# Altium PCB Audio_Research.PcbDoc (part 3 of 4) (continued)
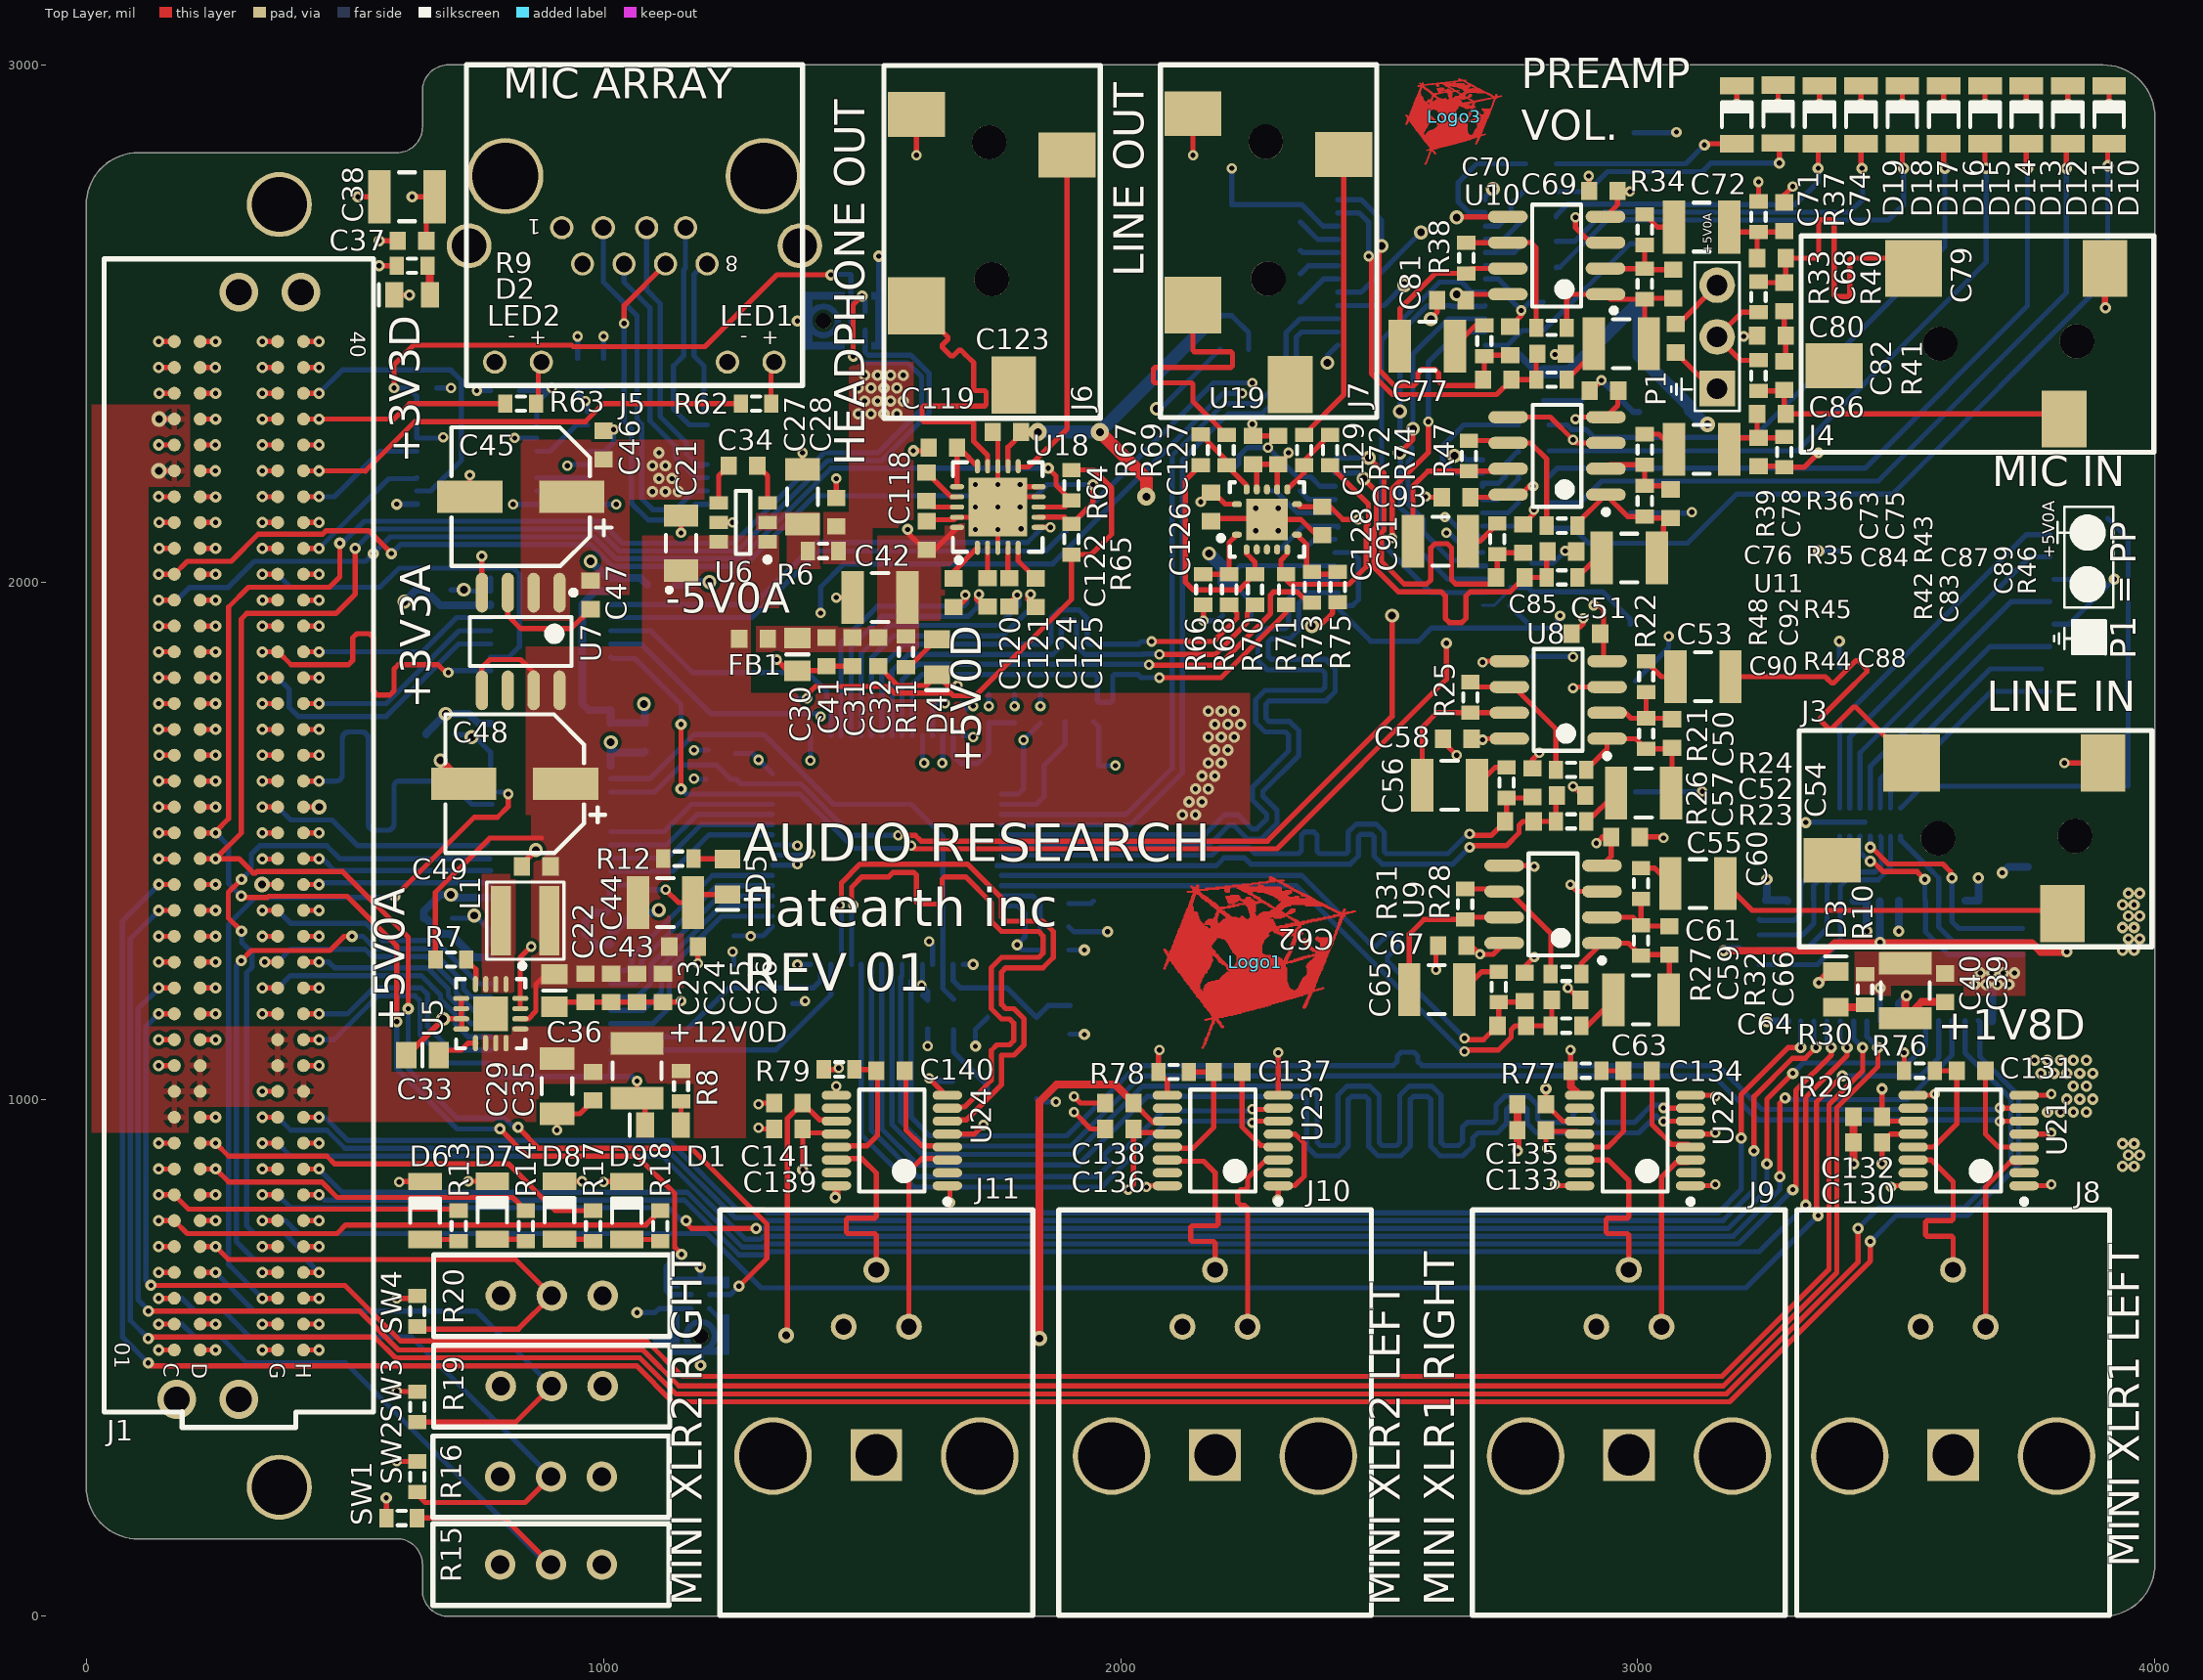
[diagram p0: Top Layer view]
## Nets (pads, with @x,y where several pads share a name; then routed paths per layer and width w, separated by ;. In a path a pad name is that pad's centre, name@x,y a point inside that pad or via, vN(x,y) a via of type N, cw(c..) or ccw(c..) an arc to the next point about the centre after c; other vN are vias at no path point) (continued)
ALRCLK: U1.29 U4.7 | length 334.9
  Bottom Layer w10: U4.7@1013.89,1517.2 1117.2,1517.2 1170.3,1570.3 U1.29@1326.81,1570.3
ALRCLK_FPGA: J1.G22 J2.G22 U4.17 | length 498.1
  Top Layer w10: v1(340,1565) J1.G22@370,1565
  Bottom Layer w10: v1(340,1565) J2.G22@370,1565 395,1540 475,1540 525,1490 770,1490 U4.17@775,1495
C\S\_\A\U\D\I\O\_\C\O\D\E\C\: R3.2 U1.35 U2.5 | length 555.3
  Bottom Layer w10: U2.5@1013.89,1905.72 1091.69,1905.72 1172.41,1825 1395,1825 1431.81,1788.19 1431.81,1773.28 1440,1765.09 1440,1703.17 U1.35@1439.79,1702.96
C\S\_\A\U\D\I\O\_\C\O\D\E\C\_\F\P\G\A\: J1.G27 J2.G27 U2.19 | length 581.2
  Top Layer w10: v1(340,1815) J1.G27@370,1815
  Bottom Layer w10: v1(340,1815) J2.G27@370,1815 392.5,1792.5 392.5,1757.5 410,1740 580,1740 720.13,1880.13 U2.19@781.6,1880.13
C\S\_\P\R\E\_\A\M\P\: U2.4 U13.9 U14.9 | length 2470.7
  Signal Layer 2 w10: v2(2255,2385) 2485.2,2385 v3@2530.93,2339.27
  Bottom Layer w10: U2.4@1013.89,1931.31 1287.01,1931.31 1415.7,2060 1855,2060 2180,2385 v2(2255,2385) ; U14.9@2705.43,2534.68 2703.59,2532.84 2640.27,2532.84 2638.42,2534.68 2592.99,2534.68 2540.2,2481.89 v3(2540.2,2330) 2540.2,2283.04 2563.5,2259.73 2563.5,2240.27 2556.01,2232.78 2556.01,2150.55 2586,2120.56 2586,2095.72 2639.67,2042.05 2664.3,2042.05 2675.48,2030.87 U13.9@2705.91,2030.87
C\S\_\P\R\E\_\A\M\P\_\F\P\G\A\: J1.H26 J2.H26 U2.20 | length 449.9
  Top Layer w10: J1.H26@420,1765 v1(450,1765)
  Bottom Layer w10: J2.H26@420,1765 v1(450,1765) 580,1765 720.72,1905.72 U2.20@781.6,1905.72
CLK: R83.1 U20.5 U26.11 | length 487.6
  Top Layer w10: v1(3450,1460) 3454.69,1460 3474.69,1440 3540.35,1440 v1(3555.35,1425)
  Bottom Layer w10: U20.5@3430,1508 3429,1507 3429,1478.3 3447.3,1460 v1(3450,1460) ; v1(3555.35,1425) 3555.35,1385.2 U26.11@3556.61,1383.94 3556.61,1323.39 3600.55,1279.45 R83.1@3745.32,1279.45
CMD: R82.1 U20.4 U26.13 | length 435.9
  Top Layer w10: v1(3450,1487) 3452.7,1487 3484.7,1455 3590,1455 3605,1440 3605,1430 3607.2,1427.8 v1(3607.8,1427.8)
  Bottom Layer w10: U20.4@3449.69,1508 3449.69,1487.31 v1(3450,1487) ; v1(3607.8,1427.8) U26.13@3607.8,1383.94 3607.8,1343.59 3621.39,1330 R82.1@3744.54,1330
CMD_DIR1: J1.C19 J2.C19 U26.2 | length 5205
  Top Layer w10: v1(119.68,490) 125.15,484.53 1063.64,484.53 1133.17,415 3177.86,415 3450,687.14 v1(3450,725) ; v1(140.16,1415) J1.C19@170,1415
  Bottom Layer w10: v1(119.68,490) 70,539.68 70,1344.84 v1(140.16,1415) J2.C19@170,1415 ; v1(3450,725) 3500,775 3638.23,775 3736.85,873.62 3736.85,1007.01 3661.61,1082.25 3661.61,1149.02 U26.2@3658.98,1151.65
CMD_DIR2: J1.C18 J2.C18 U26.3 | length 5106.6
  Top Layer w10: v1(119.68,537.5) 122.18,540 557.57,540 597.57,500 1070.05,500 1140.05,430 3171.65,430 3426.07,684.43 v1(3426.07,750) ; v1(140,1365) J1.C18@170,1365
  Bottom Layer w10: v1(119.68,537.5) 85,572.18 85,1310 v1(140,1365) J2.C18@170,1365 ; v1(3426.07,750) 3466.07,790 3632.01,790 3721.85,879.84 3721.85,1000.8 3633.39,1089.26 U26.3@3633.39,1151.65
COUT: J1.H23 J2.H23 U4.20 | length 762.3
  Top Layer w10: J1.H23@420,1615 v1(450,1615)
  Bottom Layer w10: J2.H23@420,1615 v1(450,1615) 470,1615 482.5,1615 ccw(c482.5,1627.5) 495,1627.5 495,1697.45 cw(c507.5,1697.45) 507.5,1709.95 532.5,1709.95 cw(c532.5,1697.45) 545,1697.45 545,1615 545,1532.55 ccw(c557.5,1532.55) 557.5,1520.05 582.5,1520.05 ccw(c582.5,1532.55) 595,1532.55 595,1605 cw(c605,1605) 605,1615 700.25,1615 745.25,1570 U4.20@785,1570
DATA_DIR1: J1.C15 J2.C15 U25.2 | length 4653.9
  Top Layer w10: v1(120,590) 528.79,590 603.79,515 782.85,515 782.91,515.07 1076.29,515.07 1145.89,445.47 3165.9,445.47 3385,664.56 3385,983.4 3464.43,1062.84 v1(3464.43,1099.66) ; v1(140,1215) J1.C15@170,1215
  Bottom Layer w10: v1(120,590) 120,592.56 100,612.56 100,1175 v1(140,1215) J2.C15@170,1215 ; 3443.1,1121 3443.7,1121 3464.43,1100.27 v1(3464.43,1099.66) ; 3443.06,1121.03 U25.2@3443.06,1150.86
DATA_DIR2: J1.C14 J2.C14 U25.3 | length 4517.6
  Top Layer w10: v1(125,640) 500,640 607.56,532.44 1083.49,532.44 1151.93,464 3163.22,464 3370,670.78 3370,989.62 3435,1054.62 v1(3435,1100) ; v1(140,1165.16) 169.84,1165.16 J1.C14@170,1165
  Bottom Layer w10: v1(125,640) 115,650 115,1140.16 v1(140,1165.16) 140.16,1165 J2.C14@170,1165 ; U25.3@3417.47,1150.86 3417.47,1117.53 v1(3435,1100)
DBCLK: U1.21 U3.5 | length 410.9
  Bottom Layer w10: U3.5@1013.89,1223.07 1062.29,1223.07 1073.83,1234.61 1073.83,1267.63 1219.02,1412.82 U1.21@1326.81,1412.82
DBCLK_FPGA: J1.H4 J2.H4 U3.19 | length 1349.2
  Top Layer w10: v1(299.52,1267.8) 319.22,1287.5 470.85,1287.5 498.35,1315 v1(513.62,1315) ; J1.H4@420,665 v1(449.76,665)
  Bottom Layer w10: v1(299.52,1267.8) 290,1258.28 290,725 325,690 424.76,690 v1(449.76,665) J2.H4@420,665 ; v1(513.62,1315) 535,1315 559.49,1290.51 665.09,1290.51 730,1225.6 730,1211.87 744.39,1197.48 U3.19@781.6,1197.48
DIGITAL_MIC_CLK: J1.D20 J2.D20 U12.1 U17.1 | length 4102.5
  Top Layer w10: J1.D20@220,1465 v1(250,1465) ; v1(520,2065) 520,1976.85 482.25,1939.11 310,1939.11 299.52,1928.62 299.52,1514.52 v1(250,1465) ; v1(622.44,1175) 622.44,1313.37 495.81,1440 329.53,1440 327.03,1437.5 322.5,1437.5 295,1465 v1(250,1465) ; v1(835,945.69) 835,945 875,905 1169.7,905 1316,758.7 1316,692.09 v1(1262.21,638.31)
  Bottom Layer w10: J2.D20@220,1465 v1(250,1465) ; v1(520,2065) 557.44,2102.44 988.22,2102.44 1030.66,2060 1258.62,2060 1433.62,2235 1537.44,2235 1630,2327.56 1630,2403.3 1594.52,2438.78 1512.14,2438.78 1506.06,2444.87 U12.1@1506.06,2487.28 ; v1(622.44,1175) 622.44,1058.14 717.08,963.5 808.7,963.5 826.51,945.69 v1(835,945.69) ; U17.1@1205.43,622.56 1246.47,622.56 v1(1262.21,638.31)
DIGITAL_MIC_DATA: J1.D21 J2.D21 U12.5 U17.5 | length 4068
  Top Layer w10: J1.D21@220,1515 v1(250,1515) 250,1517.5 275,1542.5 275,1951.66 313.34,1990 470,1990 490,2010 v1(490,2075) ; v1(299.52,1392.74) 302.26,1390 350.24,1390 352.74,1392.5 504.13,1392.5 600,1296.63 v1(600,1150) ; v1(800,942.5) 852.5,890 1065,890 1137.72,817.28 1137.72,713.28 v1(1151,700) ; v1(1483,2436.81) 1483,2536.23 v1(1500,2553.23)
  Bottom Layer w10: J2.D21@220,1515 v1(250,1515) 275,1490 275,1417.26 v1(299.52,1392.74) ; v1(490,2075) 495,2075 537.44,2117.44 994.43,2117.44 1036.87,2075 1252.41,2075 1427.41,2250 1531.23,2250 1615,2333.77 1615,2397.08 1588.3,2423.78 1505.93,2423.78 1492.9,2436.81 v1(1483,2436.81) ; v1(600,1150) 600,1059.37 716.87,942.5 v1(800,942.5) ; v1(1151,700) 1145,700 1120.94,675.94 1120.94,630 1128.39,622.56 U17.5@1170,622.56 ; v1(1500,2553.23) 1500,2550 1506.06,2543.94 U12.5@1506.06,2522.72
DLRCLK: U1.22 U3.4 | length 398.3
  Bottom Layer w10: U3.4@1013.89,1248.66 1042.94,1248.66 1055,1260.72 1055,1276.43 1084.54,1305.97 1211.07,1432.5 U1.22@1326.81,1432.5
DLRCLK_FPGA: J1.G18 J2.G18 U3.20 | length 530.4
  Top Layer w10: v1(340,1365) J1.G18@370,1365
  Bottom Layer w10: v1(340,1365) J2.G18@370,1365 394.84,1340.16 539.84,1340.16 572.99,1307.01 674.66,1307.01 758.6,1223.07 U3.20@781.6,1223.07
H\E\A\D\P\H\O\N\E\_\S\D\: U2.3 U18.6 | length 938.1
  Top Layer w10: U18.6@1840,2105.63 U18.6@1841.38,2105.63 v2(1864.37,2105.63)
  Bottom Layer w10: U2.3@1013.89,1956.9 1014.29,1956.5 1290.99,1956.5 1410.9,2076.42 1819.87,2076.42 1848.45,2105 1865,2105 v2(1864.37,2105.63)
HEADPHONE_JACK_OUT_L: J6.2 U18.14 | length 642.5
  Top Layer w10: J6.2@1605.28,2534.29 1639.78,2499.78 1666.06,2473.51 1666.06,2469.27 1655.03,2458.23 1655.03,2453.99 1672,2437.02 1676.24,2437.02 1687.27,2448.05 1691.51,2448.05 1700,2439.57 1716.03,2423.54 1716.03,2385 1716.03,2373 1719.03,2370 1736.96,2370 1739.96,2367 1739.96,2343 1736.96,2340 1716.03,2340 1619.03,2340 1616.03,2337 1616.03,2313 1619.03,2310 1713.03,2310 1716.03,2307 1716.03,2285 1716.03,2271.8 1742.95,2244.88 U18.14@1742.95,2222.36
HEADPHONE_JACK_OUT_R: J6.3 U18.11 | length 654.4
  Top Layer w10: U18.11@1802.01,2222.36 1822.36,2222.36 1896.61,2296.61 J6.3@1896.61,2825.63
HP_OUT.HP_OUT_L_N: C120.1 U1.36 | length 501.7
  Top Layer w10: C120.1@1686.03,1951.8 1701.03,1966.8 1701.03,1973.97 v2(1700,1975)
  Bottom Layer w10: U1.36@1459.16,1702.96 1459.16,1882.76 1529.81,1953.41 1696.41,1953.41 1703,1960 1703,1972 v2(1700,1975)
HP_OUT.HP_OUT_L_P: C121.1 U1.37 | length 508.6
  Top Layer w10: v2(1726,1976.17) 1721.03,1976.17 1721.03,1966.8 C121.1@1736.03,1951.8
  Bottom Layer w10: U1.37@1479.16,1702.96 1479.16,1874.48 1538.1,1933.41 1704.7,1933.41 1723,1951.72 1723,1973.17 v2(1726,1976.17)
HP_OUT.HP_OUT_R_N: C125.1 U1.39 | length 559.9
  Top Layer w10: v2(1826,1976.17) 1821.03,1976.17 1821.03,1966.8 C125.1@1836.03,1951.8
  Bottom Layer w10: U1.39@1518.53,1702.96 1518.53,1853.53 1561,1896 1772.28,1896 1823,1946.72 1823,1973.17 v2(1826,1976.17)
HP_OUT.HP_OUT_R_P: C124.1 U1.38 | length 553.5
  Top Layer w10: C124.1@1785,1952.28 1785,1960 v2(1800,1975) v2@1801.03,1973.97
  Bottom Layer w10: U1.38@1498.53,1702.96 1498.53,1861.82 1552.72,1916 1764,1916 1803,1955 1803,1972 v2(1800,1975)
HP_OUT_DSDATA: U1.20 U3.6 | length 415.2
  Bottom Layer w10: U3.6@1013.89,1197.48 1065,1197.48 1091.26,1223.74 1091.26,1259.98 1224.41,1393.13 U1.20@1326.81,1393.13
HP_OUT_DSDATA_FPGA: J1.G16 J2.G16 U3.18 | length 528.9
  Top Layer w10: v1(345,1265) J1.G16@370,1265
  Bottom Layer w10: v1(345,1265) J2.G16@370,1265 395,1290 538.79,1290 553.27,1275.51 658.87,1275.51 715,1219.39 715,1205.66 748.77,1171.89 U3.18@781.6,1171.89
HP_SD_FPGA: J1.H28 J2.H28 U2.21 | length 418.8
  Top Layer w10: J1.H28@420,1865 v1(449.76,1865)
  Bottom Layer w10: J2.H28@420,1865 v1(449.76,1865) 650,1865 716.31,1931.31 U2.21@781.6,1931.31
I2C_HP.SCL: J1.C30 J2.C30 R64.1 U18.8 | length 2040.6
  Top Layer w10: v1(140,1965) J1.C30@170,1965 ; U18.8@1841.38,2145 1892.32,2145 R64.1@1905,2157.68 1875,2187.68 1875,2205 v1(1860,2220)
  Bottom Layer w10: v1(140,1965) J2.C30@170,1965 175.31,1965 200,1989.69 274.69,1989.69 325,2040 540,2040 v1(555,2055) 587.44,2087.44 982.01,2087.44 1024.45,2045 1264.83,2045 1439.83,2220 v1(1860,2220)
I2C_HP.SDA: J1.C31 J2.C31 R65.1 U18.7 | length 2143.1
  Top Layer w10: v1(140,2015) J1.C31@170,2015 195,2040 280,2040 332.5,2092.5 456.96,2092.5 463.75,2099.29 545.71,2099.29 v1(590,2055) ; U18.7@1841.38,2125.31 1841.69,2125.63 1891.59,2125.63 R65.1@1905,2112.21 1905.17,2112.21 1946.72,2153.77 v1(1946.72,2188.31)
  Bottom Layer w10: v1(140,2015) J2.C31@170,2015 ; v1(590,2055) 607.44,2072.44 975.79,2072.44 1018.23,2030 1271.05,2030 1407.94,2166.89 1836.62,2166.89 1858.03,2188.31 v1(1946.72,2188.31)
LED1: J1.C7 J2.C7 R13.2 | length 622.6
  Top Layer w10: v1(140,815) J1.C7@170,815 197.5,787.5 717.03,787.5 R13.2@720,784.53
  Bottom Layer w10: v1(140,815) J2.C7@170,815
LED2: J1.D8 J2.D8 R14.2 | length 693.3
  Top Layer w10: J1.D8@220,865 v1(250,865) 275,840 455,840 485,810 824.53,810 R14.2@850,784.53
  Bottom Layer w10: J2.D8@220,865 v1(250,865)
LED3: J1.D9 J2.D9 R17.2 | length 844
  Top Layer w10: J1.D9@220,915 v1(250,915) 275,890 465,890 480,875 816.03,875 906.5,784.53 R17.2@980,784.53
  Bottom Layer w10: J2.D9@220,915 v1(250,915)
LED4: J1.C6 J2.C6 R18.2 | length 1028.8
  Top Layer w10: v1(140,765) J1.C6@170,765 195,740 485,740 501.79,756.79 1082.26,756.79 R18.2@1110,784.53
  Bottom Layer w10: v1(140,765) J2.C6@170,765
LIN-: R67.1 R70.2 U19.2 | length 446.6
  Top Layer w10: R67.1@2155,2225.95 2125,2195.95 2125,2000 2140,1985 2230,1985 R70.2@2260,2015 2260,2038.42 2243.7,2054.71 U19.2@2243.7,2062.87
LINE_DSDATA: U1.26 U4.10 | length 342.3
  Bottom Layer w10: U4.10@1013.89,1440.43 1133.68,1440.43 1204.49,1511.24 U1.26@1326.81,1511.24
LINE_IN.LINE_IN_L_N: C52.1 C55.2 R23.2 U1.58 | length 1275.5
  Top Layer w10: v2(2675,1487) 2678,1490 2745.83,1490 2770.57,1514.74 2770.57,1529.39 2778.19,1537.01 C55.2@2798.94,1537.01 R23.2@2841.85,1537.01 2841.85,1585.04 C52.1@2843.82,1587.01
  Bottom Layer w10: U1.58@1761.47,1451.43 2185.11,1451.43 2200,1466.32 ; 2200.14,1466.46 2239.86,1466.46 ; 2240,1466.32 2251.72,1454.6 2444.14,1454.6 2460,1470.46 2460,1507.62 2464.14,1511.76 2485.86,1511.76 2490,1507.62 2490,1470.46 2505.86,1454.6 2642.6,1454.6 v2(2675,1487)
LINE_IN.LINE_IN_L_P: C55.1 C57.2 R26.2 U1.57 | length 1273
  Top Layer w10: v2(2675,1513) 2678,1510 2716.81,1510 C55.1@2743.82,1537.01 2746.38,1539.57 R26.2@2746.38,1582.48 2794.41,1582.48 C57.2@2796.38,1584.45
  Bottom Layer w10: U1.57@1769.75,1471.43 U1.57@1769.31,1471.87 2177.27,1471.87 2191.86,1486.46 2248.14,1486.46 2260,1474.6 2335,1474.6 2344,1474.6 2350,1480.6 2350,1510.52 2356,1516.52 2374,1516.52 2380,1510.52 2380,1479.6 2385,1474.6 2435.86,1474.6 2440,1478.74 2440,1515.9 2455.86,1531.76 2494.14,1531.76 2510,1515.9 2510,1478.74 2514.14,1474.6 2632.9,1474.6 2671.3,1513 v2(2675,1513)
LINE_IN.LINE_IN_R_N: C62.1 C64.2 R29.2 U1.60 | length 1275.5
  Top Layer w10: v2(2665,1092) 2668,1095 2730.83,1095 2755.57,1119.74 2755.57,1134.39 2763.19,1142.01 C64.2@2783.94,1142.01 R29.2@2831.85,1142.01 2833.82,1143.98 C62.1@2833.82,1192.01
  Bottom Layer w10: U1.60@1769.31,1412.82 2340.49,1412.82 2661.3,1092 v2(2665,1092)
LINE_IN.LINE_IN_R_P: C64.1 C66.2 R32.2 U1.59 | length 1275.5
  Top Layer w10: v2(2665,1118) 2668,1115 2701.81,1115 C64.1@2728.82,1142.01 2731.38,1144.57 R32.2@2731.38,1187.48 2779.41,1187.48 C66.2@2781.38,1189.45
  Bottom Layer w10: U1.59@1769.31,1432.82 2350.18,1432.82 2480,1303 2486.36,1296.64 2494.85,1296.64 2518.15,1319.94 2526.64,1319.94 2539.36,1307.21 2539.36,1298.73 2516.06,1275.42 2516.06,1266.94 2524,1259 v2(2665,1118)
LINE_IN_DSDATA_FPGA: J1.H19 J2.H19 U4.14 | length 394.6
  Top Layer w10: J1.H19@420,1415 v1(450,1415)
  Bottom Layer w10: J2.H19@420,1415 v1(450,1415) 453.62,1418.62 777.98,1418.62 U4.14@781.6,1415
LINE_INPUT_L: C53.1 J3.2 | length 675.8
  Top Layer w10: C53.1@3179.53,1817.01 3362.91,1817.01 3367.46,1812.46 3374.85,1805.08 3379.09,1805.08 3422,1847.99 3426.24,1847.99 3443.21,1831.02 3443.21,1826.77 3398.18,1781.74 3353.15,1736.71 3353.15,1732.47 3370.12,1715.5 3374.36,1715.5 3417.27,1758.41 3421.51,1758.41 3430,1749.92 J3.2@3529.92,1650
LINE_INPUT_R: C61.1 J3.3 | length 675.8
  Top Layer w10: C61.1@3169.53,1416.69 3221.22,1365 3814.92,1365 J3.3@3821.26,1358.66
LINE_OUT.LINE_OUT_L_N: R70.1 U1.41 | length 1000.7
  Top Layer w10: v2(2075,1860) 2183.28,1860 2245,1921.72 2245,1940.95 R70.1@2260,1955.95
  Bottom Layer w10: U1.41@1557.9,1702.96 1557.9,1827.9 1590,1860 1869.14,1860 1885,1875.86 1885,1921.85 1889.14,1925.99 1910.86,1925.99 1915,1921.85 1915,1875.86 1930.86,1860 2043.28,1860 2044.28,1861 2074,1861 v2(2075,1860)
LINE_OUT.LINE_OUT_L_P: R68.1 U1.40 | length 999.9
  Top Layer w10: v2(2060,1885) 2180,1885 2225,1930 2225,1940.95 R68.1@2210,1955.95
  Bottom Layer w10: U1.40@1537.9,1702.96 1537.9,1836.19 1581.72,1880 1860.86,1880 1865,1884.14 1865,1930.13 1880.86,1945.99 1919.14,1945.99 1935,1930.13 1935,1884.14 1939.14,1880 2035,1880 2040,1885 v2(2060,1885)
LINE_OUT.LINE_OUT_R_N: R71.1 U1.43 | length 1000.7
  Top Layer w10: v2(2075,1815) 2194.39,1815 2320,1940.61 R71.1@2320,1955.95
  Bottom Layer w10: U1.43@1597.27,1702.96 1597.27,1802.27 1616.25,1821.25 1885,1821.25 1900,1821.25 1910,1821.25 1925,1821.25 1952,1821.25 1955,1818.25 1955,1770.3 1958,1767.3 1982,1767.3 1985,1770.3 1985,1818.25 1988,1821.25 1995,1821.25 2020,1821.25 2033.75,1821.25 2040,1815 v2(2075,1815)
LINE_OUT.LINE_OUT_R_P: R73.1 U1.42 | length 1002.2
  Top Layer w10: v2(2055,1840) 2056,1839 2190.11,1839 2290,1938.89 2290,1975 2295.72,1980.72 2342.27,1980.72 2362.52,1960.47 R73.1@2370,1960.47
  Bottom Layer w10: U1.42@1577.27,1702.96 1577.27,1810.56 1607.97,1841.25 2053.75,1841.25 v2(2055,1840)
LINE_OUT_DSDATA: U1.19 U3.7 | length 426.4
  Bottom Layer w10: U3.7@1013.89,1171.89 1076.89,1171.89 1112.13,1207.13 1112.13,1258.34 1227.23,1373.45 U1.19@1326.81,1373.45
LINE_OUT_DSDATA_FPGA: J1.H16 J2.H16 U3.17 | length 462
  Top Layer w10: J1.H16@420,1265 v1(450,1265)
  Bottom Layer w10: J2.H16@420,1265 v1@449.76,1265 ; v1@455,1259.76 v1@449.76,1265 ; U3.17@781.6,1146.3 743.3,1146.3 728.5,1161.1 728.5,1170.95 700,1199.45 700,1213.17 659.16,1254.02 479.65,1254.02 468.66,1265 v1(450,1265) v1@449.76,1265
LPC_Bank_C.LPC_GA0: J1.C34 J2.C34 | length 60
  Top Layer w10: v1(140,2165) J1.C34@170,2165
  Bottom Layer w10: v1(140,2165) J2.C34@170,2165
LPC_Bank_C.LPC_LA18_N: J1.C23 J2.C23 | length 59.7
  Top Layer w10: v1(140.16,1615) J1.C23@170,1615
  Bottom Layer w10: v1(140.16,1615) J2.C23@170,1615
LPC_Bank_C.LPC_LA18_P: J1.C22 J2.C22 | length 60
  Top Layer w10: v1(140,1565) J1.C22@170,1565
  Bottom Layer w10: v1(140,1565) J2.C22@170,1565
LPC_Bank_C.LPC_LA27_N: J1.C27 J2.C27 | length 60
  Top Layer w10: v1(140,1815) J1.C27@170,1815
  Bottom Layer w10: v1(140,1815) J2.C27@170,1815
LPC_Bank_C.LPC_LA27_P: J1.C26 J2.C26 | length 60
  Top Layer w10: v1(140,1765) J1.C26@170,1765
  Bottom Layer w10: v1(140,1765) J2.C26@170,1765
LPC_Bank_D.LPC_GA1: J1.D35 J2.D35 | length 59.4
  Top Layer w10: J1.D35@220,2215 v1(249.68,2215)
  Bottom Layer w10: J2.D35@220,2215 v1(249.68,2215)
LPC_Bank_D.LPC_LA09_N: J1.D15 J2.D15 | length 60
  Top Layer w10: J1.D15@220,1215 v1(250,1215)
  Bottom Layer w10: J2.D15@220,1215 v1(250,1215)
LPC_Bank_D.LPC_LA09_P: J1.D14 J2.D14 | length 60
  Top Layer w10: J1.D14@220,1165 v1(250,1165)
  Bottom Layer w10: J2.D14@220,1165 v1(250,1165)
LPC_Bank_D.LPC_LA13_N: J1.D18 J2.D18 | length 60
  Top Layer w10: J1.D18@220,1365 v1(250,1365)
  Bottom Layer w10: J2.D18@220,1365 v1(250,1365)
LPC_Bank_D.LPC_LA13_P: J1.D17 J2.D17 | length 60
  Top Layer w10: J1.D17@220,1315 v1(250,1315)
  Bottom Layer w10: J2.D17@220,1315 v1(250,1315)
LPC_Bank_D.LPC_LA23_N: J1.D24 J2.D24 | length 60
  Top Layer w10: J1.D24@220,1665 v1(250,1665)
  Bottom Layer w10: J2.D24@220,1665 v1(250,1665)
LPC_Bank_D.LPC_LA23_P: J1.D23 J2.D23 | length 60
  Top Layer w10: J1.D23@220,1615 v1(250,1615)
  Bottom Layer w10: J2.D23@220,1615 v1(250,1615)
LPC_Bank_D.LPC_LA26_N: J1.D27 J2.D27 | length 60
  Top Layer w10: J1.D27@220,1815 v1(250,1815)
  Bottom Layer w10: J2.D27@220,1815 v1(250,1815)
LPC_Bank_D.LPC_LA26_P: J1.D26 J2.D26 | length 60
  Top Layer w10: J1.D26@220,1765 v1(250,1765)
  Bottom Layer w10: J2.D26@220,1765 v1(250,1765)
LPC_Bank_D.LPC_PG_C2M: J1.D1 J2.D1 | length 60
  Top Layer w10: J1.D1@220,515 v1(250,515)
  Bottom Layer w10: J2.D1@220,515 v1(250,515)
LPC_Bank_D.LPC_TCK: J1.D29 J2.D29 | length 60
  Top Layer w10: J1.D29@220,1915 v1(250,1915)
  Bottom Layer w10: J2.D29@220,1915 v1(250,1915)
LPC_Bank_D.LPC_TDI: J1.D30 J2.D30 | length 60
  Top Layer w10: J1.D30@220,1965 v1(250,1965)
  Bottom Layer w10: J2.D30@220,1965 v1(250,1965)
LPC_Bank_D.LPC_TDO: J1.D31 J2.D31 | length 60
  Top Layer w10: J1.D31@220,2015 v1(250,2015)
  Bottom Layer w10: J2.D31@220,2015 v1(250,2015)
LPC_Bank_D.LPC_TMS: J1.D33 J2.D33 | length 60
  Top Layer w10: J1.D33@220,2115 v1(250,2115)
  Bottom Layer w10: J2.D33@220,2115 v1(250,2115)
LPC_Bank_D.LPC_TRST_L: J1.D34 J2.D34 | length 60.3
  Top Layer w10: J1.D34@220,2165 220.31,2164.68 v1(250,2164.68)
  Bottom Layer w10: J2.D34@220,2165 249.68,2165 v1(250,2164.68)
LPC_Bank_G.CLK1_LPC_M2C_P: J1.G2 J2.G2 | length 60
  Top Layer w10: v1(340,565) J1.G2@370,565
  Bottom Layer w10: v1(340,565) J2.G2@370,565
LPC_Bank_G.LPC_LA16_N: J1.G19 J2.G19 | length 60.2
  Top Layer w10: v4(339.88,1415) J1.G19@370,1415
  Bottom Layer w10: v4(339.88,1415) J2.G19@370,1415
LPC_Bank_G.LPC_LA20_P: J1.G21 J2.G21 | length 60
  Top Layer w10: v1(340,1515) J1.G21@370,1515
  Bottom Layer w10: v1(340,1515) J2.G21@370,1515
LPC_Bank_G.LPC_LA22_N: J1.G25 J2.G25 | length 60
  Top Layer w10: v1(340,1715) J1.G25@370,1715
  Bottom Layer w10: v1(340,1715) J2.G25@370,1715
LPC_Bank_G.LPC_LA22_P: J1.G24 J2.G24 | length 60
  Top Layer w10: v1(340,1665) J1.G24@370,1665
  Bottom Layer w10: v1(340,1665) J2.G24@370,1665
LPC_Bank_G.LPC_LA29_P: J1.G30 J2.G30 | length 58.4
  Top Layer w10: v1(340.79,1965) J1.G30@370,1965
  Bottom Layer w10: v1(340.79,1965) J2.G30@370,1965
LPC_Bank_G.LPC_LA31_N: J1.G34 J2.G34 | length 60
  Top Layer w10: v1(340,2165) J1.G34@370,2165
  Bottom Layer w10: v1(340,2165) J2.G34@370,2165
LPC_Bank_G.LPC_LA31_P: J1.G33 J2.G33 | length 60.2
  Top Layer w10: v1(340,2115.24) 369.76,2115.24 J1.G33@370,2115
  Bottom Layer w10: v1(340,2115.24) 340.24,2115 J2.G33@370,2115
LPC_Bank_G.LPC_LA33_N: J1.G37 J2.G37 | length 60
  Top Layer w10: v1(340,2315) J1.G37@370,2315
  Bottom Layer w10: v1(340,2315) J2.G37@370,2315
LPC_Bank_G.LPC_LA33_P: J1.G36 J2.G36 | length 60
  Top Layer w10: v1(340,2265) J1.G36@370,2265
  Bottom Layer w10: v1(340,2265) J2.G36@370,2265
LPC_Bank_H.LPC_LA11_N: J1.H17 J2.H17 | length 60
  Top Layer w10: J1.H17@420,1315 v1(450,1315)
  Bottom Layer w10: J2.H17@420,1315 v1(450,1315)
LPC_Bank_H.LPC_LA19_P: J1.H22 J2.H22 | length 60
  Top Layer w10: J1.H22@420,1565 v4(450,1565)
  Bottom Layer w10: J2.H22@420,1565 v4(450,1565)
LPC_Bank_H.LPC_LA21_P: J1.H25 J2.H25 | length 59.5
  Top Layer w10: J1.H25@420,1715 v1(449.76,1715)
  Bottom Layer w10: J2.H25@420,1715 v1(449.76,1715)
LPC_Bank_H.LPC_LA24_N: J1.H29 J2.H29 | length 59.5
  Top Layer w10: J1.H29@420,1915 v1(449.76,1915)
  Bottom Layer w10: J2.H29@420,1915 v1(449.76,1915)
LPC_Bank_H.LPC_LA28_P: J1.H31 J2.H31 | length 60
  Top Layer w10: J1.H31@420,2015 v1(450,2015)
  Bottom Layer w10: J2.H31@420,2015 v1(450,2015)
LPC_Bank_H.LPC_PRSNT_M2C#: J1.H2 J2.H2 | length 60
  Top Layer w10: J1.H2@420,565 v1(450,565)
  Bottom Layer w10: J2.H2@420,565 v1(450,565)
LPC_Bank_H.LPC_VERF_A_M2C: J1.H1 J2.H1 | length 60
  Top Layer w10: J1.H1@420,515 v1(450,515)
  Bottom Layer w10: J2.H1@420,515 v1(450,515)
MCLKI: C1.2 U1.2 Y1.1 | length 296
  Bottom Layer w10: U1.2@1676.01,1260.46 1676.01,1229.56 1690.58,1215 1780.56,1215 Y1.1@1837.28,1158.28 1859.84,1180.84 C1.2@1902.28,1180.84
MCLKO: R1.2 U1.3 U4.3 | length 1083.7
  Bottom Layer w10: U4.3@1013.89,1619.57 1089.57,1619.57 1175,1705 1310,1705 1445,1570 1595,1570 1656.33,1508.67 U1.3@1656.33,1260.46 1656.33,1213.76 R1.2@1677.28,1192.81
MCLKO_FPGA: J1.G3 J2.G3 U4.21 | length 1506.5
  Top Layer w10: v1(340.24,615) J1.G3@370,615 ; v6(596.91,1391.91) 750,1545 795,1545 816.03,1566.03 v6(816.03,1590.01)
  Bottom Layer w10: J2.G3@370,615 v1(340.24,615) 275,680.24 275,1338.53 326.47,1390 596.91,1390 v6(596.91,1391.91) ; U4.21@781.6,1593.98 812.06,1593.98 v6(816.03,1590.01)
MIC_ARRAY.SCK_FPGA: J1.H38 J2.H38 U16.10 | length 627.5
  Top Layer w10: J1.H38@420,2365 v1(450,2365)
  Bottom Layer w10: J2.H38@420,2365 v1(450,2365) 495,2410 705,2410 725,2390 725,2235 666.02,2176.02 U16.10@638.86,2176.02
MIC_ARRAY.SD_FPGA: J1.H34 J2.H34 U16.13 | length 285.2
  Top Layer w10: J1.H34@420,2165 v1(450,2165)
  Bottom Layer w10: J2.H34@420,2165 v1(450,2165) 479.7,2165 567.49,2252.8 U16.13@638.86,2252.8
MIC_ARRAY.WS_FPGA: J1.H32 J2.H32 U16.11 | length 305.4
  Top Layer w10: J1.H32@420,2065 v1(450,2065)
  Bottom Layer w10: J2.H32@420,2065 v1(450,2065) 585,2200 637.24,2200 U16.11@638.86,2201.61
MIC_DSDATA: U1.27 U4.9 | length 339.8
  Bottom Layer w10: U4.9@1013.89,1466.02 1124.12,1466.02 1189.02,1530.93 U1.27@1326.81,1530.93
MIC_IN.MIC_IN_L_N: C70.1 C76.2 R35.2 U14.23 | length 760
  Top Layer w10: v2(2480,2630) 2485,2625 2485,2403.35 2525.85,2362.5 2727.07,2362.5 C76.2@2755.91,2391.34 R35.2@2803.82,2391.34 2803.82,2439.37 C70.1@2805.79,2441.34
  Bottom Layer w10: U14.23@2420,2713.82 2461.18,2713.82 2480,2695 v2(2480,2630)
MIC_IN.MIC_IN_L_P: C76.1 C78.2 R39.2 U14.24 | length 752.6
  Top Layer w10: v3(2505,2650) 2500,2645 2500,2409.56 2529.56,2380 2555,2380 2567,2380 2575,2388 2575,2403.4 2583,2411.4 2607,2411.4 2615,2403.4 2615,2388 2623,2380 2635,2380 2689.45,2380 C76.1@2700.79,2391.34 2703.35,2393.9 R39.2@2703.35,2436.81 2705.32,2438.78 C78.2@2753.35,2438.78
  Bottom Layer w10: U14.24@2420,2739.41 2465,2739.41 2505,2699.41 v3(2505,2650)
MIC_IN.MIC_IN_R_N: C85.1 C90.2 R44.2 U13.23 | length 760
  Top Layer w10: v3(2470,2200) 2494.54,2175.46 2494.54,2106.53 2490,2101.98 2490,2028.37 2537.18,1981.18 2568,1981.18 2588,1981.18 2620,1981.18 2628,1973.18 2628,1929.54 2636,1921.54 2660,1921.54 2668,1929.54 2668,1973.18 2676,1981.18 2685,1981.18 2753.5,1981.18 C90.2@2781.22,2008.9 R44.2@2824.13,2008.9 2824.13,2056.93 C85.1@2826.1,2058.9
  Bottom Layer w10: U13.23@2414.57,2210.59 2459.41,2210.59 v3(2470,2200)
MIC_IN.MIC_IN_R_P: C90.1 C92.2 R48.2 U13.24 | length 760
  Top Layer w10: v3(2480,2240) 2509.54,2210.46 2509.54,2100.31 2505,2095.77 2505,2039.5 2548.32,1996.18 2580,1996.18 2592,1996.18 2600,2004.18 2600,2066.05 2608,2074.05 2632,2074.05 2640,2066.05 2640,2004.18 2648,1996.18 2655,1996.18 2713.39,1996.18 C90.1@2726.1,2008.9 2728.66,2011.46 R48.2@2728.66,2053.9 2731.1,2056.34 C92.2@2778.66,2056.34
  Bottom Layer w10: U13.24@2414.57,2236.18 2418.39,2240 v3(2480,2240)
MIC_IN_DSDATA_FPGA: J1.H20 J2.H20 U4.15 | length 401.1
  Top Layer w10: J1.H20@420,1465 v1(450,1465)
  Bottom Layer w10: J2.H20@420,1465 v1(450,1465) 457,1465 480.04,1441.96 U4.15@781.6,1441.96
MIC_INPUT_L: C71.1 C79.2 J4.2 R40.2 | length 641.5
  Top Layer w10: R40.2@3233.66,2580.87 3235.63,2578.9 C79.2@3283.66,2578.9 3286.22,2581.46 C71.1@3286.22,2626.34 3335,2626.34 3347,2626.34 3350,2629.34 3350,2697.59 3353,2700.59 3377,2700.59 3380,2697.59 3380,2626.34 3380,2555.09 3383,2552.09 3407,2552.09 3410,2555.09 3410,2623.34 3413,2626.34 3425,2626.34 3513.66,2626.34 J4.2@3533.66,2606.34
MIC_INPUT_R: C82.1 C86.1 J4.3 R41.1 | length 641.5
  Top Layer w10: R41.1@3233.66,2369.76 3281.69,2369.76 C82.1@3283.65,2371.73 3283.65,2327.6 C86.1@3286.22,2325.04 3814.96,2325.04 J4.3@3825,2315
MIC_PREAMP.MIC_PREAMP_L_N: U1.54 U14.14 | length 1447.9
  Bottom Layer w10: U1.54@1769.31,1530.61 2018.89,1530.61 2119.83,1631.55 2119.83,2236.55 2208.28,2325 2273.28,2325 2340,2391.72 2340,2473.9 2349.61,2483.5 U14.14@2420,2483.5
MIC_PREAMP.MIC_PREAMP_L_P: U1.53 U14.15 | length 1450.2
  Bottom Layer w10: U1.53@1769.31,1550.61 2010.61,1550.61 2099.83,1639.83 2099.83,1995 2099.83,2115 2099.83,2244.83 2200,2345 2265,2345 2320,2400 2320,2482.18 2346.91,2509.09 U14.15@2420,2509.09
MIC_PREAMP.MIC_PREAMP_R_N: U1.56 U13.14 | length 1453.8
  Bottom Layer w10: U1.56@1769.31,1491.24 2171.24,1491.24 2209.95,1529.95 2218.63,1529.95 2246.12,1502.46 2271.38,1502.46 2302.69,1533.77 2302.69,1559.03 2275.2,1586.51 2275.2,1595.2 2344.83,1664.83 2344.83,1712.4 2326.98,1730.26 2287.66,1730.26 2281.52,1736.4 2281.52,1764.12 2287.66,1770.26 2397.38,1770.26 2415.24,1788.12 2415.24,1832.4 2397.38,1850.26 2291.62,1850.26 2285.48,1856.4 2285.48,1884.12 2291.62,1890.26 2326.98,1890.26 2344.83,1908.12 2344.83,1959.83 2364.69,1979.69 U13.14@2420.47,1979.69